# KiCad board Nanopipets.kicad_pcb (continued)
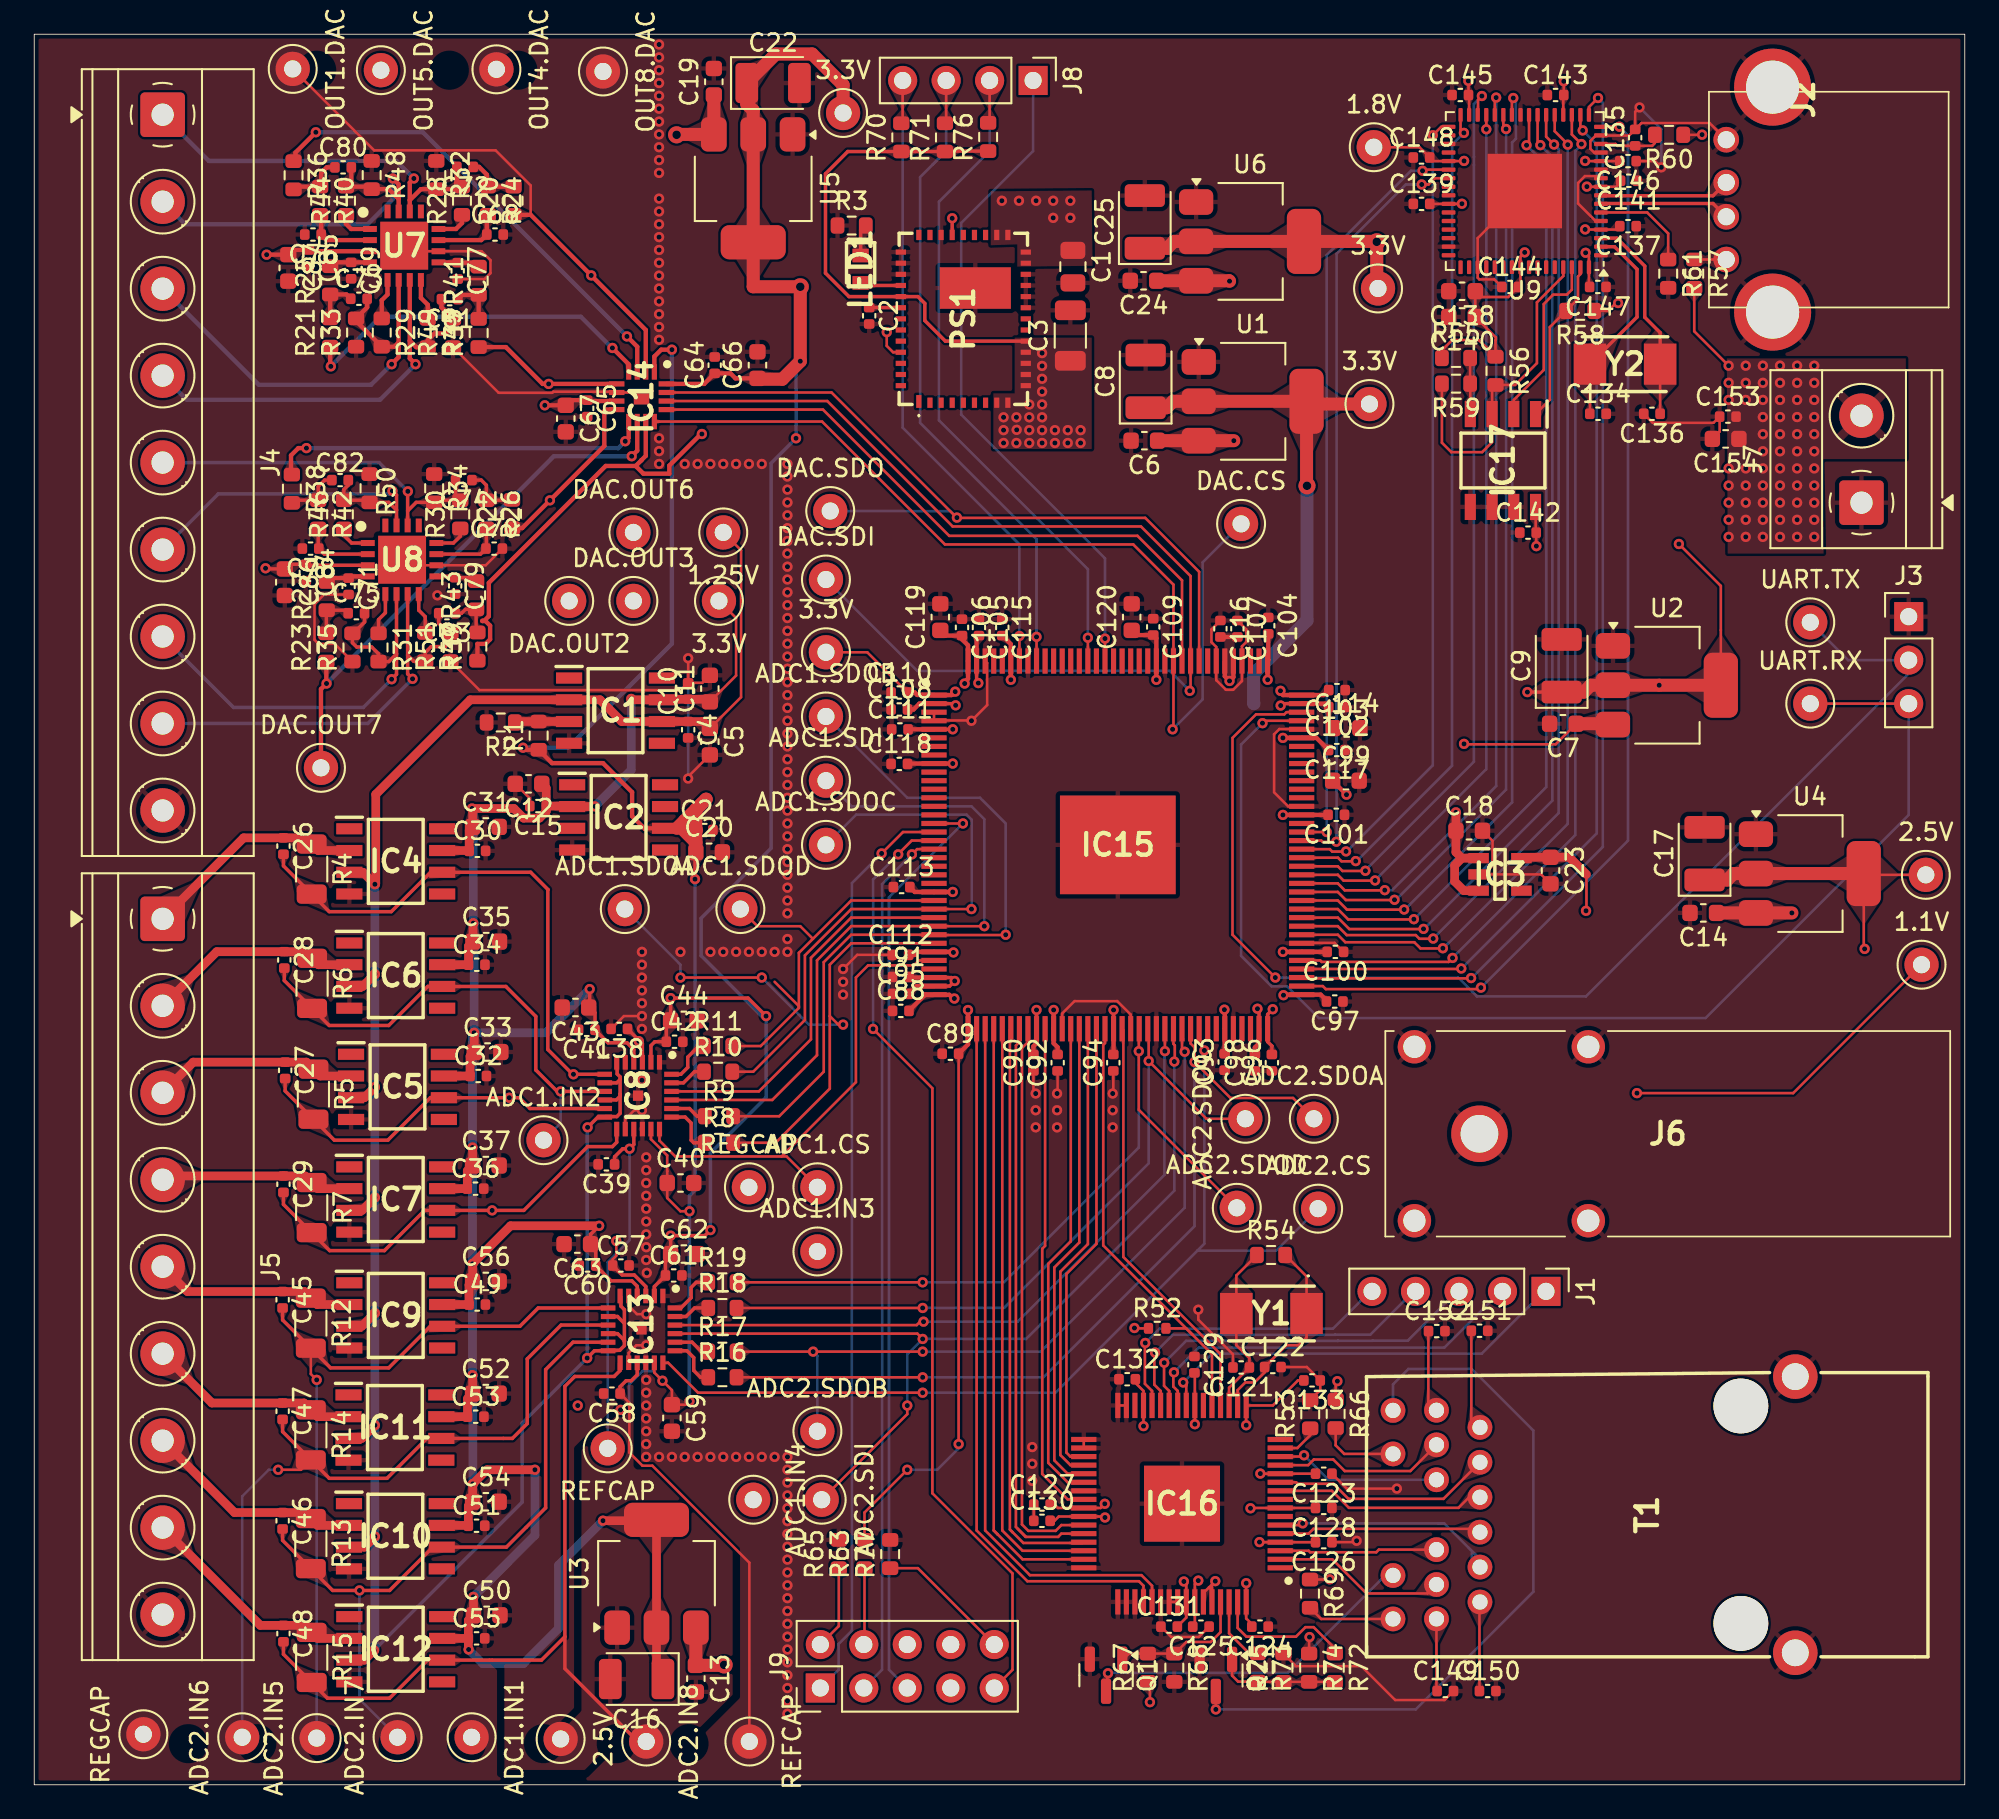
[diagram p0: board, top side]
## Routing (per net, layer and track width the routed paths; a pad name or vN(x,y) marks a point on that pad's centre or on a via; arc(x,y) is an arc through that point) (continued)
+2.5V_ETH: length 89.7
  Top w0.15: U4.2 106.95,53.15 2.5V#2.1
  Top w0.152: v1(76.12,23.58) 76.03,23.48 R66.1 ; v1(71.62,18.18) 71.63,18.17 IC16.12 C123.2 ; v1(71.58,14.18) 71.58,14.17 IC16.4 C126.2 ; U4.2 106.88,48.88 v1(106.92,48.83) ; v1(75.67,12) 75.66,11.99 R69.1
  Top w0.762: C17.1 98.9,52.85 99.28,53.23 U4.2
  In2.Cu w0.152: v1(75.67,12) 72.72,12 71.58,13.15 v1(71.58,14.18) 71.62,14.23 v1(71.62,18.18) 71.62,19.08 v1(76.12,23.58) 77.8,25.25 92.3,25.25 106.92,39.88 v1(106.92,48.83)
+3.3V_USB: length 44.2
  Top w0.152: C144.2 86.1,86.9 84.52,86.9 ; v1(83.4,92.35) 83.39,92.34 U9.42 C139.2 ; R55.1 82.23,83.79 82.83,84.39 84.39,84.39 R56.1 85.36,84.37 85.38,84.39 85.38,84.54 C140.1 C138.1 ; 87.71,73.19 87.71,74.63 ; 92.62,90.84 U9.4 90.61,90.84 v1(90.6,90.85) ; 83.82,98.64 U9.31 ; C142.2 87.74,72.36 v1(87.75,72.35) ; v1(90.7,93.35) 90.71,93.34 U9.9 92.42,93.34 92.62,93.54 ; R58.1 91.94,86.09 92.4,86.55 v1(92.53,86.55) ; 86.82,87.54 U9.56 86.82,89.26 v1(87.07,89.51) ; R60.1 97.42,96.38 v1(97.43,96.38) ; v1(83.78,99.53) 83.78,99.52 83.78,98.7 ; 89.32,98.64 U9.20 ; C143.2 v1(89.35,99.5)
  Top w0.762: C25.1 66.17,89.75 66.58,90.15 U6.2 U6.2 78.4,90.15 v2(78.42,90.12) 78.42,87.48 3.3V.1
+3.3VA_ADC: length 170.8
  Top w0.15: 39.47,63.26 41,64.79 41,68.15 3.3V#2.1
  Top w0.203: v1(33,32.65) 32.5,32.15 C63.1 ; 32.8,31.28 C60.1 33.7,29.43 34.91,29.43 35.23,29.12 IC13.4 ; IC8.4 35.02,42.94 34.63,43.34 33.52,43.34 C41.1 32.76,45.09 32.45,45.4 v1(32.45,46.48)
  Top w0.254: C65.1 31.35,80.88 ; 34.02,80.83 32.35,80.83 ; C67.1 v1(29.82,80.58)
  Top w0.508: 39.32,63.41 36.7,63.41 ; IC1.7 34.92,63.38 v1(34.88,63.43) ; C55.1 25.36,9.6 C50.1 25.66,10.97 v1(25.65,10.98) ; C55.1 IC12.7 ; C55.1 25.36,7.92 v1(25.38,7.9) ; v1(25.7,43.93) 25.71,43.92 C33.1 25.46,42.55 C32.1 IC5.7 ; IC2.2 32.74,57.14 v1(32.75,57.15) ; C51.1 25.36,16.28 C54.1 25.61,17.56 v1(25.62,17.58) 26.45,18.4 v1(29.25,18.4) ; C15.1 31.39,57.17 ; C15.1 29.91,58.21 C12.1 ; C15.1 29.91,56.86 29.51,56.46 28.58,56.46 28.02,57.03 v1(25.57,57.03) 25.61,56.99 C31.1 ; U3.2 U3.2 36.35,6.55 ; v1(25.65,50.33) 25.63,50.31 C35.1 25.37,48.99 C34.1 IC6.7 ; v1(33.23,15.43) 36.3,15.43 ; IC9.7 C49.1 25.4,29.19 C56.1 25.61,30.42 v1(25.6,30.43) 27.82,32.65 v1(33,32.65) ; IC11.7 C53.1 25.31,22.55 C52.1 25.61,23.92 v1(25.6,23.93) ; IC7.7 C36.1 25.3,35.86 C37.1 25.61,37.22 v1(25.6,37.23) ; IC4.7 25.39,54.57 ; C30.1 25.41,55.75 ; IC10.7 25.34,15.15
  Bottom w0.508: v1(32.45,46.48) 29.9,43.93 v1(25.7,43.93) ; v1(25.7,43.93) 25.7,50.28 v1(25.65,50.33) 25.65,56.95 v1(25.57,57.03) ; v1(25.7,43.93) 25.6,43.83 v1(25.6,37.23) v1(25.6,30.43) v1(25.6,23.93) 25.62,23.9 v1(25.62,17.58) ; v1(25.65,10.98) 29.25,14.58 v1(29.25,18.4) ; v1(25.38,7.9) 26.2,7.08 28.57,7.08 30.62,9.12 30.62,12.83 v1(33.23,15.43) ; v1(34.88,63.43) 34.88,59.28 v1(32.75,57.15)
+3.3VCCA: length 53
  Top w0.2: IC15.143 55.05,64.45 v1(55.15,64.35) ; IC15.2 53.73,63.15 v1(53.83,63.05) ; IC15.71 71.55,45.24 v1(71.46,45.33) ; IC15.35 53.47,46.65 v1(53.77,46.95) 53.57,47.15 IC15.34 ; v1(72.81,63.04) 72.92,63.15 IC15.107 ; IC15.5 v1(53.66,61.65)
  Top w0.254: C108.2 51.37,62.81 51.71,63.15 IC15.2 ; 75.62,61.99 C102.2 75.42,63.15 IC15.107 ; IC15.35 51.56,46.65 C95.2 ; 55.05,66.99 IC15.143 ; IC15.71 71.55,43.31 71.31,43.07 C98.2 ; IC15.34 51.13,47.15 ; 51.06,61.65 IC15.5
  Top w0.762: U1.2 74.48,80.65 3.3V#5.1 ; U1.2 74.32,75.9 v2(74.35,75.88) ; U1.2 U1.2 66.52,80.81 66.15,80.43 C8.1
  Bottom w0.762: 71.25,63.15 71.23,63.17 71.23,64.89 74.35,68.01 v2(74.35,75.88)
+3.3VD: length 138.7
  Top w0.15: R63.2 48.5,15.9 v1(51,18.4) ; v1(54,19.9) C89.2 ; 3.3V#3.1 48.66,66.15 C110.2
  Top w0.152: C7.1 88.88,60.78 83.55,60.78 v1(83.52,60.8)
  Top w0.2: v1(72.35,45.3) 72.05,45 IC15.72 72.05,43.4 72.3,43.15 72.3,43.15 C96.2
  Top w0.203: R76.1 53.23,95.43 ; 57.92,84.33 53.22,84.33 52.02,85.53 52.02,86.53 51.62,86.93 PS1.36 47.59,86.93 46.22,88.3 46.22,94.1 47.52,95.4 R70.1 R71.1
  Top w0.254: 75.57,56.65 IC15.94 v1(72.94,56.65) ; 75.53,45.78 75.15,46.15 IC15.73 73.01,46.15 v1(72.98,46.12) ; v1(53.66,59.65) IC15.9 51.04,59.65 ; IC15.67 69.55,45.35 ; v1(72.94,61.15) IC15.103 74.9,61.15 C117.2 ; v1(65.55,64.54) IC15.122 65.55,66.97 C109.2 64.39,67.15 ; v1(54.35,64.33) 54.47,64.45 54.47,64.53 54.55,64.6 IC15.144 54.55,66.56 54.2,66.91 C106.2 53.24,67.12 C119.1 ; v1(59.55,45.26) IC15.47 59.55,43.31 59.78,43.08 C92.2 ; v1(53.7,48.62) 53.66,48.65 IC15.31 51.61,48.65 51.43,48.48 C112.2 ; IC15.1 53.58,63.65 53.62,63.69 53.64,63.69 v1(53.8,63.85) ; 69.54,44.15 C93.2 ; C110.2 51.44,63.8 51.58,63.66 52.55,63.66 ; IC15.114 69.55,64.75 v1(69.82,64.48) 70.05,64.7 IC15.113 ; C88.2 52.05,46.15 ; C89.2 54.55,43.25 IC15.37 54.55,45.25 v1(54.55,45.25) ; v1(72.8,63.9) 72.8,63.8 72.95,63.65 IC15.108 75.33,63.65 C103.2 ; C113.2 51.44,52.15 IC15.24 v1(53.66,52.15) ; C116.2 C107.2 ; v1(53.75,45.92) 53.68,45.92 53.46,46.14 52.57,46.14 ; v1(72.94,48.65) IC15.78 75.53,48.65 ; v1(72.05,64.55) 72.05,64.55 IC15.109 72.09,65.67 C104.2 ; C115.2 57.05,66.62 IC15.139 v1(57.05,64.54)
  Top w0.508: 83.4,54.13 IC3.1 ; 83.4,54.13 82.97,53.7 82.97,52.77 83.52,52.23 84.38,52.23 ; 83.4,54.13 83.05,54.48 C18.1 v1(83.05,56.8)
  Top w0.762: 90.28,61.98 92.17,61.98
  Bottom w0.15: v1(54,19.9) 54,19.65 52.75,18.4 v1(51,18.4)
  vias: v1(56.62,79.88) v1(56.62,79.12) v1(56.62,78.37) v1(57.37,79.88) v1(57.39,79.14) v1(57.37,78.38) v1(58.12,80.62) v1(58.12,79.88) v1(58.12,79.12) v1(58.12,78.38) v1(58.87,83.62) v1(58.87,82.88) v1(58.87,82.12) v1(58.87,81.38) v1(58.87,80.62) v1(58.87,79.88) v1(58.87,79.12) v1(58.87,78.38) v1(59.62,79.12) v1(59.62,78.38) v1(60.37,79.12) v1(60.37,78.38) v1(61.12,79.12) v1(61.12,78.38) v1(69.52,45.28)
+3.3VD_ADC: length 109
  Top w0.203: 36.88,30.7 C61.1 36.23,29.1 IC13.2 ; IC8.2 36.02,43.18 36.25,43.4 36.92,43.4 36.92,44.4 ; v1(39.5,32.4) 39.17,32.08 v1(37.17,32.08) C62.1 ; v1(42.75,44.9) 41.7,45.95 v1(37.17,45.95) C44.1
  Top w0.254: 36.92,81.83 39.13,81.83 C64.1 40.67,82.44 40.96,82.15 C66.1 42.3,82.1
  Top w0.762: 42.3,82.1 43.7,82.1 v1(44.75,83.15) v2(44.75,87.5) 42,87.5 U5.2 U5.2 42,97.8 41.62,98.18 C22.1 43.32,101.1 45.44,101.1 47.25,99.29 3.3V#4.1
  Bottom w0.203: v1(44.75,83.15) 44.5,82.9 v1(44.5,78.65) 43.04,77.19 43.04,54.7 38.96,50.61 38.96,48.43 42.48,44.9 v1(42.75,44.9) 42.75,40.15 39.5,36.9 v1(39.5,32.4)
+5V: length 40.9
  Top w0.152: R57.2 96.97,84.9 v1(98.98,82.89) ; v1(49.8,84.85) 49.8,84.05 50.17,83.68 PS1.41
  Top w0.203: U8.3 15.92,71.23 ; v1(13.51,71.06) 13.55,71.02 C86.1 ; PS1.28 v1(53.62,91.5) ; 14.91,71.29 C84.1
  Top w0.254: C85.1 15.11,89.65 ; C87.1 v1(13.57,89.38) ; U7.3 16.11,89.58
  Top w0.762: v1(102.67,50.93) C14.1 ; U3.3 C13.1 40.27,6.98 v2(40.3,7) ; 65.58,87.85 U6.3 69.8,87.85 v1(69.83,87.83) ; C19.1 U5.3 37.55,96.4 v2(37.52,96.38) ; C6.1 U1.3 v1(70.07,78.51)
  vias: v1(56.52,92.53) v1(57.52,92.53) v1(58.52,92.53) v1(59.52,92.53) v1(59.52,91.53) v1(60.52,92.53) v1(60.52,91.53) v1(98.98,81.89) v1(98.98,80.89) v1(98.98,76.89) v1(98.98,75.89) v1(98.98,74.89) v1(98.98,73.89) v1(98.98,72.89) v1(99.98,82.89) v1(99.98,81.89) v1(99.98,80.89) v1(99.98,76.89) v1(99.98,75.89) v1(99.98,74.89) v1(99.98,73.89) v1(99.98,72.89) v1(100.98,82.89) v1(100.98,81.89) v1(100.98,80.89) v1(100.98,79.89) v1(100.98,78.89) v1(100.98,77.89) v1(100.98,76.89) v1(100.98,75.89) v1(100.98,74.89) v1(100.98,73.89) v1(100.98,72.89) v1(101.98,82.89) v1(101.98,81.89) v1(101.98,80.89) v1(101.98,79.89) v1(101.98,78.89) v1(101.98,77.89) v1(101.98,76.89) v1(101.98,75.89) v1(101.98,74.89) v1(101.98,73.89) v1(101.98,72.89) v1(102.98,82.89) v1(102.98,81.89) v1(102.98,80.89) v1(102.98,79.89) v1(102.98,78.89) v1(102.98,77.89) v1(102.98,76.89) v1(102.98,75.89) v1(102.98,74.89) v1(102.98,73.89) v1(102.98,72.89) v1(103.98,82.89) v1(103.98,81.89) v1(103.98,80.89) v1(103.98,79.89) v1(103.98,78.89) v1(103.98,77.89) v1(103.98,76.89) v1(103.98,75.89) v1(103.98,74.89) v1(103.98,73.89) v1(103.98,72.89)
GND: length 183.5
  Top w0.15: IC15.95 73.25,57.15 72.43,57.97 72.43,61.36 72.73,61.67 74.02,61.67 IC15.104 ; IC15.48 60.05,45.05 60.77,45.77 63.26,45.77 64.05,44.99 IC15.56 ; IC16.31 IC16.32 ; C112.1 48.08,48.48 v1(47.25,47.65) ; C149.2 82.38,4.95 79.5,4.95 77.53,6.93 73.71,6.93 R75.2 ; C135.2 93.52,97.72 v1(93.78,97.98) ; C135.2 93.16,96.33 91.53,96.33 U9.15 91.23,96.34 90.91,96.02 90.91,95.56 91.12,95.34 U9.13 ; C135.2 93.9,97.07 97.86,97.07 J2.4 ; IC15.142 55.67,65.52 55.67,63.07 v1(54.75,62.15) 54.73,62.17 52.58,62.17 IC15.4 IC15.3 ; C122.2 74.34,24.4 C133.1 75.12,23.06 R53.2 ; C94.1 63.03,40.41 v1(63,40.38) ; C15.2 28.95,57.62 C12.2 ; C18.2 85.19,55.13 85.19,53.69 84.68,53.18 IC3.2 88.03,53.18 C23.2 ; IC15.79 74.06,49.18 75.96,49.18 C100.1 ; 24.46,83.98 27.13,81.31 30.26,81.31 30.33,81.37 33.98,81.37 34.02,81.33 35.23,81.33 IC14.17 ; IC16.56 IC16.55 ; v1(38.2,58.78) 38.2,58.89 C5.2 ; v1(95.05,94.48) 94.68,94.84 C146.1 ; C38.2 34.45,44.9 v1(35.5,44.9) ; 38.2,64.37 v1(38.2,65.8) ; 38.2,64.37 37.78,63.94 26,63.94 R51.1 ; 38.2,64.37 39.03,64.37 C11.2 ; v1(35.5,39.4) 35.05,39.4 34.52,38.88 IC8.14 ; v1(59.75,40.38) 59.78,40.41 C92.1 ; C90.1 58.37,40.51 v1(58.5,40.38) ; C136.2 94.55,79.55 98.1,79.55 C153.1 98.46,79.04 C154.2 ; IC13.14 34.73,25.23 35.17,25.67 v1(35.75,25.67) ; C123.1 76.68,17.3 v1(79.6,17.3) ; C144.1 85.29,87.93 84.42,87.93 84.32,88.03 U9.51 84.32,90.34 U9.65 ; v1(77.25,14.25) 77.17,14.17 C126.1 ; C70.2 26.37,71.23 U8.10 21.81,71.23 U8.17 ; C116.1 68.77,67.48 68.77,66.74 69.05,66.46 IC15.115 69.05,64.52 69.61,63.96 70.04,63.96 70.55,64.47 IC15.112 70.55,66.5 70.81,66.76 70.81,67.48 C107.1 ; U7.17 21.94,89.58 U7.10 26.13,89.58 26.65,89.05 26.65,88.3 26.31,87.95 C77.2 ; C130.1 C127.1 ; C131.1 66.42,8.63 68.03,8.63 C125.1 ; v1(68,27.75) 68,27.17 70.03,25.14 C121.2 ; v1(35.75,27.49) 35.21,27.49 34.73,27.98 IC13.5 ; IC16.34 IC16.33 ; U9.5 91.21,91.34 90.18,92.37 90.18,93.56 90.59,93.97 91.4,93.97 U9.10 ; R35.1 17.55,66.64 16.61,66.64 16.37,66.88 16.37,68.96 16.93,69.52 C71.2
  Bottom w0.15: v1(38.2,65.8) v1(38.2,58.78) ; 95.05,94.5 v1(95.05,94.48) 95.05,96.7 v1(93.78,97.98)
  vias: v1(23.55,69.48) v1(35.5,48.65) v1(35.5,47.9) v1(35.5,47.15) v1(35.5,46.4) v1(35.5,45.65) v1(35.5,44.15) v1(35.5,41.15) v1(35.75,36.65) v1(35.75,35.9) v1(35.75,35.15) v1(35.75,34.4) v1(35.75,33.65) v1(35.75,32.9) v1(35.75,32.15) v1(35.75,31.4) v1(35.75,30.65) v1(35.78,29.9) v1(35.75,23.65) v1(35.75,22.9) v1(35.75,22.15) v1(35.75,21.4) v1(35.75,20.65) v1(35.75,19.9) v1(35.75,19.15) v1(36.5,101.65) v1(36.5,100.9) v1(36.5,100.15) v1(36.5,99.4) v1(36.5,98.65) v1(36.5,97.9) v1(36.5,97.15) v1(36.5,96.4) v1(36.5,95.65) v1(36.5,94.9) v1(36.5,94.15) v1(36.5,92.65) v1(36.5,91.9) v1(36.5,91.15) v1(36.5,90.4) v1(36.5,89.65) v1(36.5,88.9) v1(36.5,88.15) v1(36.5,87.4) v1(36.5,86.65) v1(36.5,85.9) v1(36.5,85.15) v1(36.5,84.4) v1(36.5,78.65) v1(36.5,77.9) v1(36.5,77.15) v1(36.5,19.15) v1(37.25,19.15) v1(37.75,48.65) v1(38,77.15) v1(38,19.15) v1(38.75,77.15) v1(38.75,19.15) v1(39.5,77.15) v1(39.5,48.65) v1(39.5,19.15) v1(40.25,77.15) v1(40.25,48.65) v1(40.25,19.15) v1(41,77.15) v1(41,48.65) v1(41,19.15) v1(41.75,77.15) v1(41.75,48.65) v1(41.75,19.15) v1(42.5,77.15) v1(42.5,48.65) v1(42.5,19.15) v1(43.25,48.65) v1(43.25,19.15) v1(44,77.15) v1(43.99,76.42) v1(44,75.65) v1(44,74.9) v1(44,74.15) v1(44,73.4) v1(44,72.65) v1(44,71.91) v1(44,71.15) v1(44,70.4) v1(44,69.65) v1(44,68.9) v1(44,68.15) v1(44,67.4) v1(44,66.65) v1(44,65.9) v1(44,65.19) v1(44,64.4) v1(44,63.65) v1(44,62.9) v1(44,62.15) v1(44,61.4) v1(44,60.65) v1(44,59.9) v1(44,59.15) v1(44,58.4) v1(44,57.65) v1(44,56.9) v1(44,56.15) v1(44,55.4) v1(44,54.65) v1(44,53.9) v1(44,53.15) v1(44,52.4) v1(44,51.65) v1(44,50.9) v1(44,49.4) v1(44,48.65) v1(44,19.15) v1(44,18.4) v1(44,17.65) v1(44,16.9) v1(44,16.15) v1(44,15.4) v1(44,14.65) v1(44,13.9) v1(44,13.15) v1(44,12.4) v1(44,11.65) v1(44,10.9) v1(44,10.15) v1(44,9.4) v1(44,8.65) v1(44,7.9) v1(44,7.15) v1(44,6.4) v1(44,5.65) v1(44,4.9) v1(44,4.15) v1(47.25,46.9) v1(47.25,46.15) v1(58.3,19.73) v1(58.3,18.75) v1(58.3,17.75) v1(58.5,39.4) v1(58.5,38.4) v1(59.75,39.4) v1(59.75,38.4) v1(63,39.4) v1(63,38.4)
/ADC1/ADC1.CS: length 28.3
  Top w0.15: 43.66,36.7 43.95,36.7 ADC1.CS.1
  Top w0.152: IC15.32 51.68,48.15 51.46,47.94 ; 51.46,47.94 51.39,47.86 48.71,47.86 48,47.15 48,41.04 43.66,36.7 37.45,36.7 36.52,37.63 IC8.18 ; 51.46,47.94 51.42,47.89
/ADC1/ADC1.SCLK: length 22.3
  Top w0.152: IC8.22 42.33,40.5 45.37,43.54 45.37,48.3 47.72,50.65 IC15.27
/ADC1/ADC1.SDOA: length 37.8
  Top w0.15: 46.47,44.9 46.97,44.4 v1(47.25,44.4) ; v1(37.75,47.15) v1(42.5,47.15)
  Top w0.152: IC15.30 47.72,49.15 46.47,47.9 46.47,40.66 43.31,37.5 R8.2
  Bottom w0.15: v1(42.5,47.15) 45.25,44.4 v1(47.25,44.4) ; v1(37.75,47.15) 37.75,47.9 ADC1.SDOA.1
/ADC1/ADC1.SDOB: length 43.7
  Top w0.152: v1(56.75,49.65) 56.73,49.63 52.58,49.63 IC15.29 47.72,49.65 46.12,48.05 46.12,41.65 43.52,39.05 R9.2
  Bottom w0.15: v1(56.75,49.65) 56.75,56.15 55.25,57.65 51,57.65 ADC1.SDOB.1
/ADC1/ADC1.SDOC: length 34.7
  Top w0.15: v1(54.75,51.15) IC15.26
  Top w0.152: IC15.26 47.72,51.15 45.02,48.45 45.02,44.67 42,41.65 R10.2
  Bottom w0.15: ADC1.SDOC.1 48.02,56.67 54.46,56.67 54.77,56.36 54.77,51.17 v1(54.75,51.15)
/ADC1/ADC1.SDOD: length 24.3
  Top w0.15: ADC1.SDOD.1 42.25,50.15 44.75,50.15 45.49,49.41 ; 43.25,46.9 44.67,45.48 44.67,45.38
  Top w0.152: IC15.25 47.72,51.65 44.67,48.59 44.67,45.38 42.44,43.15 R11.2
/ADC1/ADC.SDI: length 42.2
  Top w0.15: v1(55.5,50.15) IC15.28
  Top w0.152: IC8.21 43.11,40 45.73,42.62 45.73,48.15 47.72,50.15 IC15.28
  Bottom w0.15: ADC1.SDI.1 47.75,57.15 54.75,57.15 55.5,56.4 v1(55.5,50.15)
/ADC1/IN1: length 75.4
  Top w0.203: C26.2 14.56,53.68 R4.2 17.23,51 20.86,51 23.16,53.3 IC4.6 29,53.3 30.01,52.29 30,52.28 30,42.95 31.45,41.5 v1(31.5,41.5) IC8.7
  In1.Cu w0.15: v1(31.5,41.5) 31.75,41.25 v1(31.75,22.15)
  In2.Cu w0.15: ADC1.IN1.1 24.55,3.78 24.55,17.23 26.5,19.18 28.77,19.18 v1(31.75,22.15)
/ADC1/IN2: length 29.1
  Top w0.203: C28.2 14.61,46.97 R6.2 17.23,44.35 20.71,44.35 22.99,46.63 IC6.6 27.55,46.63 29.3,44.88 29.3,41.75 30.55,40.5 v1(30.75,40.5) IC8.9
  Bottom w0.15: ADC1.IN2.1 30.75,38.65 v1(30.75,40.5)
/ADC1/IN3: length 43.6
  Top w0.203: C27.2 14.66,40.53 R5.2 17.53,37.65 20.66,37.65 23.14,40.13 IC5.6 v1(27.75,40.13) 28.33,40.13 28.96,39.5 IC8.11
  In2.Cu w0.15: v1(27.75,40.13) 27.9,39.98 33.15,39.98 41.98,31.15 ADC1.IN3.1
/ADC1/IN4: length 52.3
  Top w0.203: C29.2 14.56,33.9 R7.2 17.26,31.2 20.46,31.2 22.81,33.55 IC7.6 v1(26.75,33.55) 28.6,33.55 32.33,37.28 33.77,37.28 34.02,37.53 IC8.13
  In1.Cu w0.15: ADC1.IN4.1 34.5,16.65 26.75,24.4 v1(26.75,33.55)
/ADC2/ADC2.CS: length 56.7
  Top w0.152: v1(68.36,42.89) 68.36,42.99 68.05,43.3 IC15.64 ; v1(51.9,22.9) 38.78,22.9 37.03,24.65 IC13.18
  Bottom w0.15: 67.95,31.2 72.55,31.2 ADC2.CS.1
  Bottom w0.152: v1(68.36,42.89) 68.36,31.61 59.65,22.9 v1(51.9,22.9)
/ADC2/ADC2.SCLK: length 40.8
  Top w0.152: 37.42,26.85 51.55,26.85 51.75,27.05 v1(51.95,27.05) ; IC15.60 v1(66.05,42.85)
  Bottom w0.152: v1(66.05,42.85) 66.03,42.83 66.03,35.62 57.45,27.05 v1(51.95,27.05)
/ADC2/ADC2.SDI: length 54.2
  Top w0.15: ADC2.SDI.1 51,21.65 v1(51,22.15)
  Top w0.152: 37.42,26.35 51.59,26.35 v1(51.9,26.04) ; v1(66.6,42.24) 66.63,42.27 66.63,43.19 66.55,43.27 IC15.61
  Bottom w0.15: v1(51.9,26.04) 51,25.14 v1(51,22.15)
  Bottom w0.152: v1(51.9,26.04) 57.94,26.04 66.6,34.7 v1(66.6,42.24)
/ADC2/ADC2.SDOA: length 50.4
  Top w0.15: v1(67.78,42.22) 69.88,40.12 73.53,40.12 ADC2.SDOA.1
  Top w0.152: IC15.63 67.55,43.3 67.78,43.07 v1(67.78,42.22) ; 41.02,23.8 41.9,23.8 41.9,23.8 v1(51.9,23.8)
  Bottom w0.152: v1(51.9,23.8) 58.95,23.8 67.78,32.63 v1(67.78,42.22)
/ADC2/ADC2.SDOB: length 44.9
  Top w0.152: v1(67.2,42.82) 67.05,42.97 IC15.62 ; 41.02,25.3 v1(45.5,25.3) v1(51.9,25.3)
  Bottom w0.15: v1(45.5,25.3) 45.75,25.05 ADC2.SDOB.1
  Bottom w0.152: v1(67.2,42.82) 67.2,33.7 58.8,25.3 v1(51.9,25.3)
/ADC2/ADC2.SDOC: length 42.4
  Top w0.15: ADC2.SDOC.1 68.48,38.9 v1(65.1,42.28)
  Top w0.152: v1(65.1,42.28) 65.1,42.28 65.1,44.11 ; 41.02,27.85 v1(51.9,27.85)
  Bottom w0.152: v1(51.9,27.85) 56.65,27.85 65.1,36.3 v1(65.1,42.28)
/ADC2/ADC2.SDOD: length 45.2
  Top w0.15: ADC2.SDOD.1 64.53,39.43 v1(64.53,42.85)
  Top w0.152: 41.02,29.35 v1(51.9,29.35) ; v1(64.53,42.85) 64.53,44.14
  Bottom w0.152: v1(64.53,42.85) 64.53,42.52 64.52,42.51 64.52,42.04 64.53,42.03 64.53,37.23 56.65,29.35 v1(51.9,29.35)
/ADC2/IN5: length 45.2
  Top w0.15: R12.2 16.16,23.99 v1(16.5,23.65)
  Top w0.203: 33.52,27.85 29.44,27.85 28.37,26.78 IC9.6 23.14,26.78 20.71,24.35 17.31,24.35 R12.2 14.51,27.15 C45.2
  Bottom w0.15: ADC2.IN5.1 v1(16.5,23.65)
/ADC2/IN6: length 45.7
  Top w0.15: v1(14.25,18.4) 15.58,18.4 R14.2
  Top w0.203: C47.2 14.51,20.62 R14.2 17.23,17.9 20.61,17.9 22.94,20.23 IC11.6 27.93,20.23 28.8,21.1 28.8,24.88 30.77,26.85 33.52,26.85
  Bottom w0.15: ADC2.IN6.1 12.15,16.85 13.7,18.4 v1(14.25,18.4)
/ADC2/IN7: length 40.6
  Top w0.203: IC10.6 27.58,13.88 29.88,16.18 29.88,24.25 31.48,25.85 33.52,25.85 ; 23.29,13.88 20.76,11.35 v1(19,11.35) 17.43,11.35 R13.2 14.51,14.28 C46.2
  Bottom w0.15: v1(19,11.35) 19,5 ADC2.IN7.1
/ADC2/IN8: length 46.8
  Top w0.203: 31,8.65 31,6.78 35.26,2.53 ADC2.IN8.1 ; 31,8.65 31,23.28 31.57,23.85 33.88,23.85 34.23,24.2 IC13.13 ; 31,8.65 29.63,7.28 IC12.6 22.98,7.28 20.75,5.06 17.13,5.06 R15.2 14.56,7.62 C48.2
/Connectors/CONF_DONE: length 39.2
  Top w0.152: IC15.138 v1(57.55,67.1) ; J8.4 50.73,97.13
  Bottom w0.152: v1(57.55,67.1) 57.55,72.45 50.73,79.27 J8.4
/Connectors/CONFIG_SEL: length 39.1
  Top w0.152: IC15.128 v1(62.55,66.95)
  Bottom w0.152: v1(62.55,66.95) 62.55,71.63 54.15,80.03 54.15,91.23 58.35,95.43 J8.1
/Connectors/IN1: length 13.2
  Top w0.508: J5.1 12.23,55.31 C26.1 15.85,55.31 R4.1 16.59,54.57 IC4.2
/Connectors/IN2: length 12.5
  Top w0.508: IC6.2 16.61,47.9 R6.1 15.85,48.66 C28.1 10.66,48.66 J5.2
/Connectors/IN3: length 12.1
  Top w0.508: J5.3 9.29,42.21 C27.1 15.9,42.21 R5.1 16.71,41.4 IC5.2
/Connectors/IN4: length 11
  Top w0.508: IC7.2 16.56,34.82 R7.1 15.82,35.56 C29.1 7.72,35.56
/Connectors/IN5: length 11.8
  Top w0.508: J5.5 8.95,28.81 C45.1 15.77,28.81 R12.1 16.53,28.05 IC9.2
/Connectors/IN6: length 12.4
  Top w0.508: J5.6 10.38,22.3 C47.1 15.76,22.3 R14.1 16.56,21.5 IC11.2
/Connectors/IN7: length 12.9
  Top w0.508: IC10.2 16.56,15.15 R13.1 15.81,15.9 C46.1 11.7,15.9 J5.7
/Connectors/IN8: length 13.6
  Top w0.508: IC12.2 16.56,8.55 R15.1 15.8,9.31 C48.1 13.21,9.31 J5.8
/Connectors/JTAG.TCK: length 53.8
  Top w0.152: IC15.17 50.75,55.65 v1(49.5,54.4)
  Bottom w0.152: v1(49.5,54.4) 47.77,52.67 47.77,9.01 46.99,8.23 46.99,6.72 J9.1
/Connectors/JTAG.TDI: length 55.6
  Top w0.15: J9.9 57.15,6.72 57.15,12.35 52.47,17.03 52.47,40.68 v1(49,44.15)
  Top w0.152: IC15.18 51.26,55.15 50.47,54.36 v1(50.47,54.35)
  Bottom w0.15: v1(50.47,54.35) 49,52.88 v1(49,44.15)
/Connectors/JTAG.TDO: length 51.3
  Top w0.152: IC15.19 51.57,54.65 v1(51.27,54.35)
  Bottom w0.152: v1(51.27,54.35) 49.53,52.6 49.53,6.72 J9.3
/Connectors/JTAG.TMS: length 54.4
  Top w0.152: v1(54.25,56.15) IC15.16
  Bottom w0.152: v1(54.25,56.15) 49.93,51.83 49.93,6.72 J9.5
/Connectors/LED0: length 8.1
  Top w0.152: IC16.63 70.3,9.16 70.81,8.65 73.71,8.65 74.26,9.2 74.74,9.2 75.97,7.97
/Connectors/LED1: length 4
  Top w0.152: R73.1 70.97,7.68 69.8,8.85 IC16.62
/Connectors/LED2: length 8.1
  Top w0.152: 63.64,7.35 63.95,7.66 66.62,7.66 67.3,8.34 68.73,8.34 69.3,8.91 IC16.61
/Connectors/NCONFIG: length 41.1
  Top w0.152: J8.2 55.81,97.16 ; IC15.130 v1(61.55,67)
  Bottom w0.152: v1(61.55,67) 61.55,71 52.85,79.7 52.85,92.47 55.81,95.43 J8.2